# Altium PCB Dashcam_V2.0B.PcbDoc (part 7 of 8) (continued)
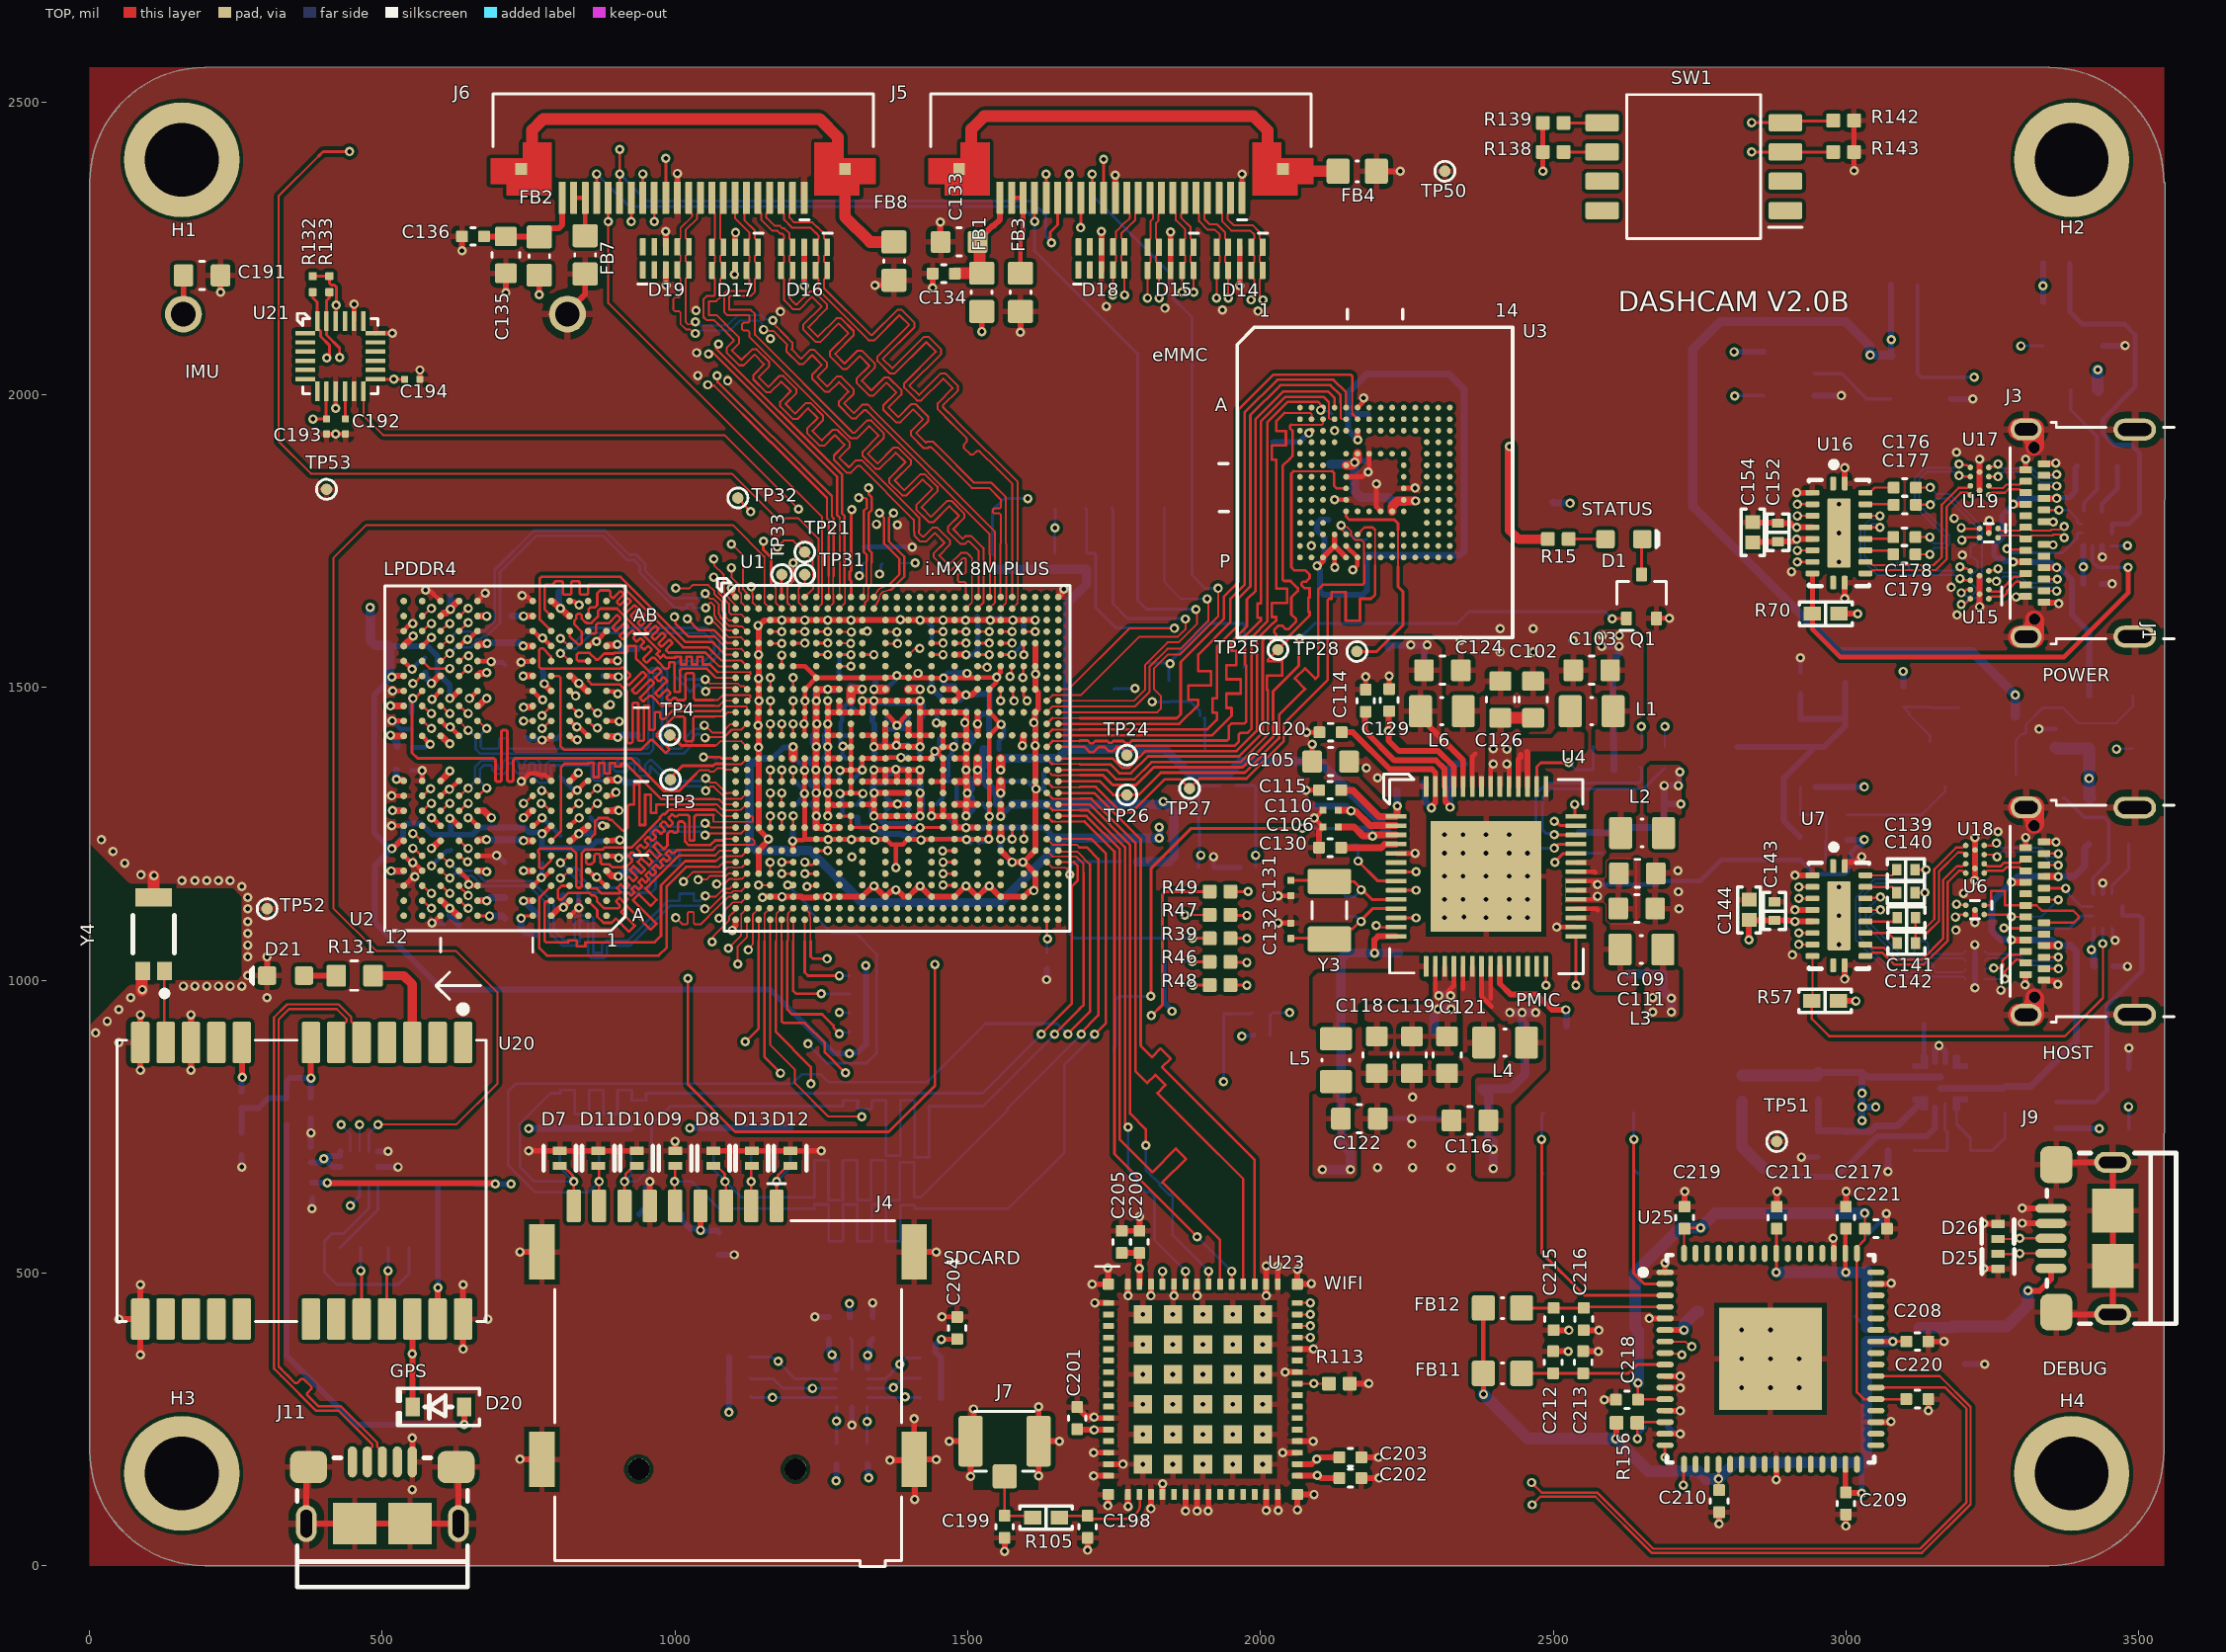
[diagram p0: TOP view]
## Nets (pads, with @x,y where several pads share a name; then routed paths per layer and width w, separated by ;. In a path a pad name is that pad's centre, name@x,y a point inside that pad or via, vN(x,y) a via of type N, cw(c..) or ccw(c..) an arc to the next point about the centre after c; other vN are vias at no path point) (continued)
USB2_D_P: U1.D14 U6.C2 | length 2217.3
  TOP w3.4: U1.D14@1359.36,1595.47 1359.65,1595.19 1378.73,1595.19 v1(1379.02,1594.9)
  TOP w4.02: v1(3187.01,1108.14) 3190.25,1108.14 3193.78,1111.68 3204.2,1111.68 U6.C2@3204.72,1112.2
  L3_IN1 w3.2: v1(1379.02,1594.9) 1377.75,1594.9 1370.65,1587.8 1363.71,1587.8 1355.6,1579.69 1355.6,1530.28 1353.5,1528.18 1353.5,1508.21 1408.44,1453.27 1431.32,1453.27 1436.55,1458.5 1502.5,1458.5 1536.82,1492.82 1549.43,1492.82 1549.48,1492.88 1551.16,1492.88 1551.24,1492.96 1562.67,1492.96 1562.95,1492.69 1594.43,1492.69 1594.8,1493.05 1607.72,1493.05 1608.43,1492.34 1619.66,1492.34 1670.49,1441.51 1677.47,1441.51 1862.51,1441.51 1915,1494 2710,1494 3002.88,1201.12 3042.5,1161.5 3085.93,1161.5 3132.18,1115.24 3178.74,1115.24 3185.84,1108.14 v1(3187.01,1108.14)
USB2_RX1_N: J1.B10 U27.A4 | length 160.9
  TOP w4.02: J1.B10@3338.58,1039.37 3338.7,1039.49 3362.88,1039.49 v1(3363,1039.61)
  BOTTOM w3.19: U27.A4@3236.22,1049.21 3237.14,1049.21 3241.42,1044.94 3294.06,1044.94 3306.24,1032.76 3352.69,1032.76 3359.54,1039.61 v1(3363,1039.61)
USB2_RX1_P: J1.B11 U27.A3 | length 160.7
  TOP w4.02: J1.B11@3338.58,1019.69 3346.89,1019.69 3347.01,1019.8 3362.94,1019.8 v1(3363.06,1019.68)
  BOTTOM w3.19: U27.A3@3236.22,1033.46 3237.14,1033.46 3241.42,1037.74 3291.08,1037.74 3303.26,1025.56 3348.69,1025.56 3352.11,1022.13 3360.61,1022.13 v1(3363.06,1019.68)
USB2_RX2_N: J1.A10 U18.A4 | length 77.3
  TOP w4.02: U18.A4@3236.22,1183.07 3237.63,1183.07 3241.49,1186.93 3268.01,1186.93 3273.92,1192.83 3296.73,1192.83 3302.56,1187.01 J1.A10@3307.09,1187.01
USB2_RX2_P: J1.A11 U18.A3 | length 77.3
  TOP w4.02: U18.A3@3236.22,1198.82 3237.63,1198.82 3241.49,1194.96 3264.69,1194.96 3270.59,1200.87 3296.73,1200.87 3302.56,1206.69 J1.A11@3307.09,1206.69
USB2_RX_1_N: U7.16 U27.C4 | length 279.3
  TOP w4.02: U7.16@3033.47,1120.08 v1(3059.06,1120.08)
  BOTTOM w3.19: v1(3059.06,1120.08) 3042.87,1111.07 3041,1109.2 3041,1097.09 3093.15,1044.94 3102,1044.94 3112.75,1044.94 3117.39,1049.58 3117.39,1062.42 3122.03,1067.06 3135.94,1067.06 3140.58,1062.42 3140.58,1049.58 3145.22,1044.94 3170,1044.94 3199.53,1044.94 3203.8,1049.21 U27.C4@3204.72,1049.21
USB2_RX_1_P: U7.17 U27.C3 | length 281.7
  TOP w4.02: U7.17@3033.47,1139.76 3034.62,1140.92 3057.9,1140.92 v1(3059.06,1142.07)
  BOTTOM w3.19: v1(3059.06,1142.07) 3035.66,1120.92 3033.8,1119.05 3033.8,1116.41 3033.8,1094.1 3090.16,1037.74 3199.53,1037.74 3203.8,1033.46 U27.C3@3204.72,1033.46
USB2_RX_2_N: U7.12 U18.C4 | length 308.8
  TOP w4: U7.12@3033.47,1041.34 3040.36,1041.34 3043.27,1044.25 3043.27,1044.81 3045.62,1047.17 3062.09,1047.17 3082.28,1026.97 3133.33,1026.97 3174.02,1067.66 3174.02,1167.73 3193.22,1186.93 3199.46,1186.93 3203.32,1183.07 U18.C4@3204.72,1183.07
USB2_RX_2_P: U7.13 U18.C3 | length 308.8
  TOP w4: U7.13@3033.47,1061.02 3040.36,1061.02 3043.27,1058.11 3043.27,1057.55 3045.62,1055.2 3065.41,1055.2 3085.61,1035 3130,1035 3165.98,1070.98 3165.98,1171.06 3189.89,1194.96 3199.46,1194.96 3203.32,1198.82 U18.C3@3204.72,1198.82
USB2_RX_N: U1.B12 U7.8 | length 2799.5
  TOP w3.2: U1.B12@1319.99,1634.84 1319.99,1636.57 1324.74,1641.32 1324.74,1645.4 1329.8,1650.47 1329.87,1650.53 1329.87,1658.59 1330,1658.72 1330,1670.11 1335,1675.11 1335,1712.5 1335.8,1713.3
  TOP w4: v1(1330.55,1841.14) 1330.99,1840.69 1330.99,1829.79 1336.14,1824.64 1336.14,1803.63 1331.02,1798.51 1331.02,1735.08 1335.8,1730.29 1335.8,1713.3
  TOP w4.02: v1(2919.38,1061.02) U7.8@2942.91,1061.02
  L3_IN1 w3.2: v1(1330.55,1841.14) 1319.63,1841.15 1307.28,1853.5 1285.48,1853.5 1237.17,1805.19 1237.17,1605.98 1237.16,1549.64 1232.5,1544.98 1232.5,1527.48 1247.33,1512.64 1267.4,1512.64 1277.46,1502.58 1277.46,1447.95 1302.25,1423.17 1302.25,1393.08 1297.09,1387.92 1297.09,1348.54 1310.15,1335.48 1428.72,1335.48 1433.24,1340 1453,1340 1457.73,1335.27 1505.6,1335.27 1505.72,1335.16 1538.29,1335.16 1538.61,1335.48 1570.52,1335.48 1617.01,1288.99 1629.99,1288.99 1702.47,1216.51 1850.51,1216.51 1923.5,1289.5 2082.44,1289.5 2098.09,1305.15 2210.15,1305.15 2240,1335 2544.5,1335 2614.5,1265 2614.5,1134.48 2704.18,1044.8 2881.8,1044.8 2902.11,1065.11 2911.83,1065.11 2915.92,1061.02 v1(2919.38,1061.02)
USB2_RX_P: U1.A12 U7.7 | length 2797.1
  TOP w3.2: U1.A12@1319.99,1654.53 1321.57,1656.1 1321.57,1659.91 1322.17,1660.51 1322.17,1661.78 1322.3,1661.91 1322.3,1673.3 1327.3,1678.3 1327.3,1715.69
  TOP w4: v1(1313.65,1824.21) 1314.09,1823.77 1324.99,1823.77 1327.64,1821.12 1327.64,1807.15 1322.52,1802.03 1322.52,1731.56 1327.3,1726.77 1327.3,1715.69
  TOP w4.02: v1(2919.38,1080.71) U7.7@2942.91,1080.71
  L3_IN1 w3.2: v1@1313.63,1824.23 1313.63,1835.13 1303.76,1845 1289,1845 1245.67,1801.67 1245.67,1621.95 1245.34,1621.62 1245.34,1602.13 1245.14,1601.93 1245.14,1545.6 1241,1541.46 1241,1531 1251.18,1520.82 1271.24,1520.82 1285.96,1506.1 1285.96,1451.48 1310.75,1426.69 1310.75,1389.56 1304.39,1383.2 1304.39,1352.79 1313.53,1343.65 1326.46,1343.65 1424.88,1343.66 1429.72,1348.5 1456.52,1348.5 1461.25,1343.77 1490.58,1343.77 1490.7,1343.66 1534.76,1343.66 1574.36,1343.66 1620.53,1297.49 1633.51,1297.49 1705.99,1225.01 1846.99,1225.01 1919.98,1298 2078.92,1298 2094.56,1313.65 2206.63,1313.65 2236.48,1343.5 2548.02,1343.5 2623,1268.52 2623,1138 2707.7,1053.3 2717,1053.3 2752.72,1053.3 2757.36,1057.94 2757.36,1084.35 2762,1088.99 2775.92,1088.99 2780.56,1084.35 2780.56,1057.94 2785.2,1053.3 2810,1053.3 2878.28,1053.3 2898.59,1073.61 2909.9,1073.61 2917,1080.71 v1(2919.38,1080.71)
USB2_TX1_N: J1.A3 U27.A2 | length 93.5
  TOP w4.02: v1(3252.51,1020.99) 3265.92,1021.02 3267.95,1023.05 3269.37,1024.47 3269.37,1027.8 3267.29,1029.88 3267.29,1032.85 3279.17,1044.74 3282.15,1044.74 3284.23,1042.66 3287.56,1042.66 3288.29,1043.39 3291.61,1043.39 3296.73,1043.39 3302.56,1049.21 J1.A3@3307.09,1049.21
  BOTTOM w3.19: U27.A2@3236.22,1017.72 3238.02,1017.72 3240.79,1020.49 3252.01,1020.49 v1(3252.51,1020.99)
USB2_TX1_P: J1.A2 U27.A1 | length 95
  TOP w4.02: v1(3271.65,1001.97) 3271.62,1015.36 3291.61,1035.35 3296.73,1035.35 3302.56,1029.53 J1.A2@3307.09,1029.53
  BOTTOM w3.19: U27.A1@3236.22,1001.97 v1(3271.65,1001.97)
USB2_TX2_N: J1.B3 U18.A2 | length 165.8
  TOP w4.02: U18.A2@3236.22,1214.57 3243.98,1214.57 3251.19,1214.57 3254.76,1211 v1(3258,1211) ; J1.B3@3338.58,1196.85 3362.63,1196.85 v1(3363,1196.48)
  BOTTOM w3.19: v1(3258,1211) 3258,1211.5 3265.6,1219.1 3331.33,1219.1 3347.53,1202.9 3354.73,1202.9 3361.16,1196.48 v1(3363,1196.48)
USB2_TX2_P: J1.B2 U18.A1 | length 165.3
  TOP w4.02: U18.A1@3236.22,1230.31 3250.08,1230.32 3253.76,1234 v1(3257,1234) ; J1.B2@3338.58,1216.54 3362.63,1216.54 v1(3363,1216.17)
  BOTTOM w3.19: v1(3257,1234) 3257.5,1234 3265.19,1226.31 3334.31,1226.31 3350.52,1210.11 3354.73,1210.11 3360.79,1216.17 v1(3363,1216.17)
USB2_TX_1_N: C140.1 U27.C2 | length 452.5
  TOP w4.02: C140.1@3118.11,1149.61 v1(3135.08,1149.61)
  BOTTOM w3.19: v1(3135.08,1149.61) 3136.06,1150.58 3136.06,1163.82 3134.19,1165.69 3051.69,1165.69 3024,1138 3024,1072 3034,1062 3036.55,1059.45 3082.56,1013.44 3103,1013.44 3123.07,1013.44 3126.55,1016.92 3126.55,1025.97 3130.03,1029.45 3146.26,1029.45 3149.74,1025.97 3149.74,1016.92 3153.22,1013.44 3178,1013.44 3199.53,1013.44 3203.8,1017.72 U27.C2@3204.72,1017.72
USB2_TX_1_P: C139.1 U27.C1 | length 454.5
  TOP w4.02: C139.1@3118.11,1188.98 v1(3137.03,1188.98)
  BOTTOM w3.19: v1(3137.03,1188.98) 3137.03,1175.74 3134.19,1172.89 3048.7,1172.89 3016.8,1140.98 3016.8,1069.02 3079.57,1006.24 3199.53,1006.24 3203.8,1001.97 U27.C1@3204.72,1001.97
USB2_TX_2_N: C142.1 U18.C2 | length 210.1
  TOP w4.02: C142.1@3119.11,1063.43 3119.11,1078.66 3121.46,1081.01 3139.01,1081.01 3158.98,1100.98 3158.98,1185.98 3191.43,1218.43 3199.46,1218.43 3203.32,1214.57 U18.C2@3204.72,1214.57
USB2_TX_2_P: C141.1 U18.C1 | length 210.2
  TOP w4.02: C141.1@3119.11,1106.74 3119.11,1091.45 3121.46,1089.1 3133.01,1089.1 3135.74,1089.1 3150.95,1104.3 3150.95,1189.3 3188.1,1226.46 3199.46,1226.46 3203.32,1230.31 U18.C1@3204.72,1230.31
USB2_TX_N: U1.B13 U7.4 | length 2481.8
  TOP w3: U1.B13@1339.68,1634.84 1348.12,1649.74 ccw(c1339.68,1654.53) 1349.37,1655.04 cw(c1352.37,1655.18) 1349.69,1656.52 ccw(c1340.29,1661.21) 1350.15,1657.6 ccw(c1346.65,1658.94) 1350.19,1657.71 cw(c1359.36,1654.53) 1356.47,1663.8 1365.53,1666.62 1366.23,1666.84 ccw(c1364,1674) 1366.76,1667.02 cw(c1367.83,1664.22) 1368.66,1667.1 1369.02,1667
  TOP w4: 1369.02,1667 1391.5,1689.48 1391.5,1723.52 1365.5,1749.52 1365.5,1789.83 1373.25,1797.58 v1(1373.25,1798.17)
  TOP w4.02: v1(2919.38,1139.76) U7.4@2942.91,1139.76
  L3_IN1 w3.2: v1(1373.25,1798.17) 1372.98,1798.17 1365.4,1805.75 1365.4,1811.92 1357.86,1819.45 1340.22,1819.45 1327.75,1806.98 1327.75,1802.77 1276.54,1751.56 1276.54,1608.7 1276.33,1608.49 1276.33,1526.32 1295.4,1507.25 1295.4,1465.29 1310.87,1449.82 1385.33,1449.82 1416.21,1418.94 1422.04,1418.94 1425.36,1415.62 1456.21,1415.62 1456.4,1415.81 1502.69,1415.81 1502.88,1416 1532.89,1385.99 1548.99,1385.99 1560.13,1374.85 1702.39,1374.85 1712.24,1365 1998.32,1365 2074.43,1441.12 2520.86,1441.12 2817.97,1144.01 2911.67,1144.01 2915.92,1139.76 v1(2919.38,1139.76)
USB2_TX_P: U1.A13 U7.3 | length 2479
  TOP w3: U1.A13@1339.68,1654.53 1342.84,1659.63 ccw(c1340.29,1661.21) 1342.98,1659.87 ccw(c1340.29,1661.21) 1343.11,1660.2 ; 1343.13,1660.24 cw(c1359.36,1654.53) 1354.24,1670.96 1363.29,1673.78 1364,1674
  TOP w4: v1(1349.04,1798.16) 1349.04,1797.78 1357,1789.83 1357,1746 1383,1720 1383,1693 1364,1674
  TOP w4.02: v1(2919.38,1159.45) U7.3@2942.91,1159.45
  L3_IN1 w3.2: v1(1349.04,1798.16) 1349.31,1798.16 1356.9,1805.75 1356.9,1808.4 1354.34,1810.95 1343.74,1810.95 1336.25,1803.46 1336.25,1799.25 1285.04,1748.04 1285.04,1621.95 1284.71,1621.62 1284.71,1608.7 1284.83,1608.57 1284.83,1581.78 1284.42,1581.36 1284.42,1568.44 1284.71,1568.15 1284.71,1529.96 1303.9,1510.77 1303.9,1468.81 1314.39,1458.32 1388.85,1458.32 1419.73,1427.44 1425.56,1427.44 1428.88,1424.12 1452.69,1424.12 1452.88,1424.31 1499.17,1424.31 1499.35,1424.5 1506.4,1424.5 1536.41,1394.49 1552.51,1394.49 1563.65,1383.35 1705.91,1383.35 1715.76,1373.5 1994.79,1373.5 2070.91,1449.62 2524.38,1449.62 2821.49,1152.51 2831,1152.51 2847.65,1152.51 2849.97,1154.83 2849.97,1183.43 2852.29,1185.75 2870.85,1185.75 2873.17,1183.43 2873.17,1154.83 2875.49,1152.51 2900.29,1152.51 2910.07,1152.51 2917,1159.45 v1(2919.38,1159.45)
USB2_VBUS_3V3: U1.D12 U8.4 | length 4592.6
  TOP w6: U1.D12@1319.88,1595.47 1320.16,1595.75 1328.16,1595.75 v2(1328.43,1596.03)
  L4_IN2 w6: v2(1328.43,1596.03) 1328.43,1656.18 1331.91,1659.65 1331.91,1717.09 1247,1802 1247,2052 1545,2350 2603.98,2350 2743.98,2490 2970,2490 3346,2114 3346,2066 3328.51,2048.51 3192.51,2048.51 3162.4,2018.4 3162.4,1535.6 3402.29,1295.71 3402.29,864.71 3481,786 v1@3483,786
  BOTTOM w6: v1(3483,784) 3483.4,783.6 U8.4@3483.4,746.82
USB_CC1_ESD: J1.A5 U9.1 | length 197.3
  TOP w5: v1(3270,1089) 3270.21,1088.79 3306.88,1088.79 J1.A5@3307.09,1088.58
  BOTTOM w5: v1(3270,1089) 3382,1089 3403.24,1110.24 U9.1@3421.26,1110.24
USB_CC2_ESD: J1.B5 U9.2 | length 98.2
  TOP w5: J1.B5@3338.79,1157.27 3375.46,1157.27 v1(3375.67,1157.06)
  BOTTOM w5: v1(3375.67,1157.06) 3377.77,1154.96 3377.77,1150.23 3402.02,1125.98 U9.2@3421.26,1125.98
USB_GPS_N: J11.2 U20.5 | length 1056.8
  TOP w4.02: U20.5@464.57,893.7 464.57,912.77 450.21,927.13 449.28,927.13 446.93,929.48 446.93,937.24 425.35,958.82 337.22,958.82 314.8,936.4 314.8,336.77 327.76,323.82 386.98,264.59 425.34,264.59 483.19,206.74 483.19,203.41 474.41,194.63 J11.2@474.41,177.17
USB_GPS_P: J11.3 U20.6 | length 1054.9
  TOP w4.02: U20.6@421.26,893.7 421.26,912.77 435.62,927.13 436.55,927.13 438.9,929.48 438.9,933.92 422.03,950.79 340.55,950.79 322.83,933.07 322.83,340.1 325.4,337.53 333.44,329.5 336.47,326.47 337.89,325.05 351.19,311.75 354.58,311.75 361.89,319.05 365.29,319.05 378.87,305.47 378.87,302.07 371.56,294.76 371.56,291.37 388.55,274.39 389.97,272.97 390.31,272.62 428.67,272.62 491.22,210.07 491.22,203.41 500,194.63 J11.3@500,177.17
USB_PWR_VBUS: J1.A4 J1.A9 J1.B4 J1.B9 R51.2 R63.1 U5.5 | length 947.7
  TOP w11.81: v2(3283,1068.9) J1.A4@3307.09,1068.9 ; v2(3283,1167.32) J1.A9@3307.09,1167.32 ; J1.B9@3338.58,1059.06 3362.19,1059.06 v2(3362.66,1059.52) ; J1.B4@3338.58,1177.17 v2(3362.67,1177.17)
  BOTTOM w11.81: U5.5@3161.42,814.96 3268.7,814.96 R51.2@3271.65,817.91 3272.74,819 3316,819 3394,897 3394,1049 3383.95,1059.06 v2@3362.66,1059.06 ; v2(3362.66,1059.52) 3361.53,1059.52 3352.16,1068.9 v2(3283,1068.9) 3282.2,1069.7 3264.08,1069.7 3249,1084.78 3249,1133.32 v2(3283,1167.32) 3284.13,1167.32 3293.97,1177.17 v2(3362.67,1177.17) 3390.17,1177.17 3407.91,1194.91 3407.91,1225.82 R63.1@3414.37,1232.28
USB_UART_3V3: C207.2 C208.2 C209.2 C210.2 C211.2 C217.2 C223.2 FB11.1 FB12.1 R150.2 R151.2 R152.2 R153.2 R156.2 U24.11 U25.20 U25.31 U25.42 U25.50 U25.56 U26.2 U26.4 | length 2019.6
  TOP w5: U25.20@2782.6,173.23 v1(2782.6,148) 2782.6,130 C210.2@2783.46,129.13 ; v1(2881.02,500.99) U25.56@2881.02,533.47 2881.02,574.72 C211.2@2881.89,575.59 ; C209.2@3000,125.2 3001.2,124 v1(3027,124) ; v1(3080,383) 3103.03,383 C208.2@3103.15,382.88
  TOP w8: FB12.1@2380.71,440.16 FB11.1@2380.71,328.55 2381,328.26 v1(2381,293) ; v1@2999.21,501.78 2999.21,533.39 U25.50@2999.13,533.47 2999.21,533.55 C217.2@2999.21,574.8
  TOP w10: v1(2607.09,217) 2607.68,217.59 2607.68,243.35 R156.2@2608.27,243.94 ; U25.31@2999.13,173.23 2999.13,125.2 3000.33,124 v1(3027,124) ; C217.2@2999.21,574.8 C217.2@3000,575.59 ; U25.42@3051.3,382.88 3051.36,382.94 3079.94,382.94 v1(3080,383)
  BOTTOM w5: U26.2@3015.89,426.04 U26.2@3035.43,406.5
  BOTTOM w10: R152.2@1091,319 R152.2@1092.28,320.28 ; v1(1092,262) 1092.28,262.28 R151.2@1092.28,289 ; R151.2@1092,289 1092.28,289.28 R153.2@1092.28,356 ; C207.2@1262.79,386.54 1262.79,365.21 v1(1268,360) ; v1@1268,358.97 1275.59,351.38 U24.11@1275.59,334.65 ; v1(1275,145) 1275.3,145.3 1275.3,172.99 R150.2@1275.59,173.28 ; v1(3027,124) 3027,167.75 U26.4@3035.43,176.18
  BOTTOM w20: v1(2381,293) 2457,217 v1(2607.09,217) 2663.09,161 2705.21,161 2705.9,161.69 2748.02,161.69 2761.72,148 v1(2782.6,148) 2810.78,176.18 U26.4@3035.43,176.18 3035.43,383 v1(3080,383) ; v1(2881.02,500.99) v1(3000,500.99) 3033.49,500.99 C223.2@3036,503.5 3035.72,503.22 3035.72,406.78 U26.2@3035.43,406.5
VDD_1V8: C1.2 C2.2 C3.2 C4.2 C8.2 C9.2 C10.2 C16.2 C24.2 C71.2 C72.2 C73.2 C74.2 C75.2 C76.2 C96.2 C97.2 C98.2 C99.2 C122.2 C123.2 C193.2 C194.2 C195.2 C200.2 C201.2 C204.2 C205.2 C206.2 L5.2 R16.1 R17.1 R18.1 R19.1 R20.1 R21.1 R33.2 R34.2 R45.1 R64.2 R69.2 R132.2 R133.2 R138.2 R139.2 R146.2 R147.2 R148.2 R149.2 R154.1 TP46.1 U1.AA11 U1.AA14 U1.AA16 U1.AA19 U1.AA24 U1.J11 U1.J16 U1.K11 U1.R22 U1.U22 U1.U24 U1.Y10 U1.Y11 U2.F1 U2.F12 U2.G4 U2.G9 U2.T4 U2.T9 U2.U1 U2.U12 U3.C6 U3.M4 U3.N4 U3.P3 U3.P5 U4.14 U14.5 U21.8 U21.13 U21.22 U22.1 U22.12 U23.13 U23.63 U24.1 | length 7783.7
  TOP w5: R132.2@381.02,2202.76 R133.2@409.45,2202.76 409.97,2202.24 409.97,2190.52 412.9,2187.59 417.81,2187.59 421.84,2183.56 421.84,2153.69 v1(421.14,2153) ; v1(381.7,1958.73) 381.86,1958.89 404.48,1958.89 C193.2@404.64,1959.06 403.89,1959.81 403.89,2005.14 U21.8@404.64,2005.89 ; U21.22@420.5,2125.91 U21.22@420.39,2126.01 420.77,2126.39 420.77,2152.77 v1@421,2153 ; U21.13@488.33,2026.58 C194.2@538.19,2026.58 ; U1.Y10@1280.62,1280.51 U1.Y11@1300.31,1280.51 U1.AA11@1300.31,1260.83 v2(1339.68,1260.83) U1.AA14@1359.36,1260.83 U1.AA16@1398.73,1260.83 v2(1418.42,1260.83) U1.AA19@1457.79,1260.83
  TOP w8: v1(1454.72,386.54) 1455,386.82 1481.72,386.82 C204.2@1482,387.1 ; v1(2482.28,2381.89) R138.2@2482.28,2414.76 R139.2@2482.28,2464.57
  TOP w10: v2(516.14,1224.68) 517.76,1224.68 531.76,1238.68 U2.F12@535.14,1238.68 ; v2@517.15,1519.68 U2.U12@536.53,1519.69 ; v2(615.27,1276.58) 616.41,1275.43 618.96,1275.43 630.61,1263.78 U2.G9@631.02,1263.78 ; v2(615.27,1481.3) 616.41,1482.44 618.96,1482.44 630.61,1494.09 U2.T9@631.02,1494.1 ; v2(772.75,1250.07) 773.89,1251.22 775.53,1251.22 788.09,1263.78 U2.G4@788.5,1263.78 ; v2(776.65,1506.48) 776.65,1506.22 788.5,1494.37 U2.T4@788.5,1494.1 ; U2.F1@882.99,1238.19 v2(905.79,1239.7) ; U2.U1@882.99,1519.69 903.14,1517.68 903.26,1517.8 v2(903.26,1518.28) ; U1.U22@1516.8,1339.52 U1.U22@1516.84,1339.57 ; U1.R22@1516.8,1379.52 1516.84,1379.47 U1.R22@1516.84,1378.94 ; C201.2@1687,233.07 1687.54,232.54 1715.46,232.54 v1(1716,232) 1716.28,232.28 U23.13@1740.16,232.28 ; C205.2@1763,534.1 C200.2@1793.31,534.1 1793.15,533.95 1793.15,508.15 v1(1793,508) 1793.31,507.69 U23.63@1793.31,480.83 ; v3(2096.7,1707.55) 2097.85,1707.55 2106.7,1716.4 2106.7,1722.55 2107.22,1722.55 U3.N4@2126.53,1741.86 ; U3.M4@2126.53,1761.55 U3.N4@2126.53,1741.86 ; U3.P5@2144.7,1723.55 2144.7,1723.69 U3.N4@2126.53,1741.86 ; U3.C6@2165.9,1938.71 2165.9,1923.1 v3(2166,1923) ; v2@2194.8,1044.52 v2(2194.8,1046.52) 2194.8,1069.17 2200.65,1075.02 U4.14@2231.8,1075.02
  TOP w11.81: v2(1556.21,1241.14) U1.AA24@1556.21,1260.83
  TOP w15.75: U1.K11@1300.31,1477.36 U1.J11@1300.31,1497.05 v2(1319.99,1497.05) ; U1.J16@1398.73,1497.05 v2(1418.42,1497.05) ; U1.U22@1516.84,1339.57 v2(1516.84,1359.25) U1.R22@1516.84,1378.94 ; v2(1556.21,1319.88) U1.U24@1556.21,1339.57
  L3_IN1 w10: v2(1849,947) 1925.52,947 v1(1968.21,904.31) 1968.21,814.11 v2(2105.8,676.52)
  L6_PWR1 w10: v2@1417.65,1496.28 v2(1418.42,1497.05)
  L6_PWR1 w15.75: v2(1516.84,1359.25) v2@1516.89,1359.21
  BOTTOM w8: v1(1968.21,904.31) 1969.31,905.42 1987.91,905.42 R45.1@1989.02,906.52
  BOTTOM w10: C195.2@377.95,688.58 393.58,688.58 v1(400,695) v1@401.62,695 ; U22.1@428.15,707.18 U22.1@427.66,707.67 427.66,701.1 426.66,700.1 406.72,700.1 v1@401.62,695 ; U22.12@428.64,681.1 415.52,681.1 v1@401.62,695 ; v2@513.14,1224.68 486.14,1251.68 486.14,1487.68 v2(516.14,1517.68) ; C71.2@513.31,1570.61 577.21,1570.61 594.14,1553.68 594.14,1525.68 615.27,1504.55 v2@615.27,1481.8 ; C74.2@615.14,1248.68 585.14,1248.68 566.14,1267.68 541,1267.68 535.14,1261.82 535.14,1243.68 487.14,1195.68 487.14,1099.47 602.36,984.25 1162.57,984.25 1271.91,874.91 v2(1297.74,874.91) ; v2(615.27,1276.58) 615.27,1274.96 617.14,1273.08 C74.2@617.14,1248.67 654.13,1248.67 666.14,1260.68 742.71,1260.68 751.25,1252.13 771.69,1252.13 v2@772.79,1251.03 ; v2@772.75,1250.98 772.75,1227.07 C75.2@773.14,1226.68 ; C75.2@773.14,1225.67 854.07,1225.67 865.35,1236.95 876.42,1236.95 C76.2@877.14,1237.67 902.14,1237.67 904.17,1239.7 v2(905.79,1239.7) ; C72.2@773.14,1526.78 774.86,1525.06 774.86,1509.9 776.65,1508.11 v2(776.65,1506.48) ; C73.2@877.14,1519.69 877.84,1518.98 902.56,1518.98 v2(903.26,1518.28) ; v1(1297.8,447.49) 1298.64,446.65 1298.64,424.55 R154.1@1299.48,423.72 ; v2@1298.44,874.21 1300.28,876.05 1311.19,876.05 1325.92,890.79 R21.1@1325.92,975.9 ; C8.2@1298.7,1503.54 1299.7,1502.54 1305.71,1502.54 1310.06,1498.19 1318.85,1498.19 v2(1319.99,1497.05) ; C2.2@1310.14,1277.68 1312.13,1277.68 1312.14,1265.68 1316.69,1261.13 1339.37,1261.13 v2(1339.68,1260.83) 1341.3,1260.83 1347.13,1254.99 1347.62,1254.99 1350.94,1251.68 1356.13,1251.68 C3.2@1361.14,1246.67 1364.69,1250.22 1386.16,1250.22 1388.7,1247.67 1398.14,1247.67 C4.2@1399.14,1246.67 ; R20.1@1325.14,1006.68 1325.92,1005.9 R21.1@1325.92,976.68 ; R20.1@1325.92,1007.68 v2(1325.92,1025) ; R146.2@1328.23,174.12 1329.78,172.57 1329.78,151.24 v1(1330.92,150.09) ; U24.1@1328.73,336.61 v1(1328.73,359.25) 1328.73,360.87 1332.59,364.73 1332.59,382.1 C206.2@1337.59,387.1 ; C4.2@1401.14,1246.68 1404.27,1246.68 v2(1418.42,1260.83) ; R147.2@1454.72,286 R148.2@1454.72,320 R149.2@1454.72,355 1444.13,365.58 1444.13,375.95 v1(1454.72,386.54) ; C24.2@1556.13,1217.68 C24.2@1556.13,1217.68 v2@1556.17,1241.64 ; R17.1@1834.92,991.55 1834.92,962.7 1849,948.62 v2(1849,947) ; R17.1@1834.92,992.55 R16.1@1834.92,1032.55 ; v3@2096.08,1706.55 2101.71,1700.92 C99.2@2101.71,1683.55 ; v3(2096.7,1707.55) 2109,1719.85 2109,1756.24 C98.2@2095.69,1769.55 2096.7,1770.56 2096.7,1780.7 2102.55,1786.56 C97.2@2115.7,1786.56 ; C99.2@2101.7,1682.55 2101.7,1664.41 2107.56,1658.55 2174.7,1658.55 2181.7,1665.55 R34.2@2181.7,1725.77 ; R33.2@2149.48,1967.55 2149.48,1939.52 v3(2166,1923) ; R33.2@2152.7,1967.55 C96.2@2183.8,1967.55 ; U14.5@3076.82,2067.4 3077.36,2067.94 v1(3077.36,2094) R69.2@3077.36,2188
  BOTTOM w11.81: R33.2@2149.48,1967.55 2149.48,2003.33 2181.7,2035.55 2321.7,2035.55 2347.7,2009.55 2347.7,1732.47 2340.78,1725.55 R34.2@2182.69,1725.55
  BOTTOM w15.75: v2(479.14,1636.68) 479.14,1580.9 488.37,1571.68 C71.2@510.14,1571.68 ; C71.2@510.14,1571.78 512.27,1569.65 512.27,1521.62 516.14,1517.74 v2(516.14,1517.68) ; C1.2@1399.04,1497.68 v2@1418.14,1497.68 ; v2(1516.84,1359.25) 1516.84,1359.19 1532.14,1343.89 C10.2@1532.14,1336.68 ; v2@1523.14,1362.68 1527.15,1366.69 C9.2@1527.15,1393.68 ; C10.2@1533.15,1339.68 1533.15,1334.67 v2@1550.14,1317.68 ; C16.2@1551.13,1301.68 1551.13,1314.67 v2@1555.14,1318.68 ; v2(2105.8,676.52) 2150.8,676.52 v2@2151.8,677.52 ; C123.2@2137.8,768.52 2137.8,1036.52 2147.8,1046.52 v2(2194.8,1046.52) TP46.1@2235.8,1046.52 ; C123.2@2138.3,763.52 2138.3,721.23 2153.8,705.73 v2(2153.8,676.52) ; v1@3040.35,2067.91 3040.35,2083.66 2999.02,2125 2785.43,2125 2738.19,2077.76 2738.19,1810.04 2987.2,1561.02 3215.55,1561.02 v1(3289.37,1487.2) 3289.42,1487.16 3289.42,1450.83 R64.2@3289.37,1450.79 ; v1(3041.61,2067.78) v1(3041.61,2067.78) 3075.97,2067.73 U14.5@3076.77,2066.93
  other v1: 519.5,2026.64
VDD_3V3: C18.2 C93.2 C94.2 C95.2 C116.2 C117.2 C127.2 C143.2 C144.2 C152.2 C154.2 C196.2 C202.2 C203.2 FB1.1 FB2.1 FB9.1 L4.2 R15.2 R57.2 R58.2 R62.1 R66.2 R70.2 TP44.1 U1.J14 U3.E6 U3.F5 U3.J10 U3.K9 U4.21 U4.22 U7.6 U8.5 U11.5 U12.5 U16.6 U22.11 U23.34 U23.35 | length 3513.4
  TOP w8: U4.21@2377.46,1023.84 2377.46,972.54 2395,955 ; 2393.21,968.79 U4.22@2393.21,1023.84
  TOP w10: v1(406,654) 407,653 691.49,653 v1@692.91,651.57 ; v1(768,2171) FB2.1@768,2204.32 ; v1(1524,2108) FB1.1@1524,2142.32 ; U23.34@2062.99,153.54 2096.54,153.54 v1(2097,154) 2098.62,154 2103.01,149.61 C202.2@2134.65,149.61 ; U23.35@2062.99,173.23 2087.23,173.23 v1(2096,182) 2097.62,182 2100.66,185.04 C203.2@2134.65,185.04 ; v1(2834.26,1068.9) 2834.45,1069.09 2834.45,1102.17 C144.2@2834.65,1102.36 ; C144.2@2834.65,1102.76 2834.84,1102.56 C143.2@2878.74,1102.56 ; C154.2@2841,1747.68 2841.79,1748.46 2883.21,1748.46 C152.2@2884,1749.25 2910.14,1749.25 2914.38,1753.49 v1(2916,1753.49) ; C143.2@2877.95,1102.36 2902.8,1102.36 2904.08,1101.08 2912.7,1101.08 v1@2913.39,1100.39 ; v1(2913,1100.39) v1@2913.39,1100.39 ; v1@2916,1753.94 U16.6@2942.91,1753.94 ; U7.6@2942.91,1100.39 v1@2913.39,1100.39 ; R57.2@2987.2,964.57 v1(3017.12,964.57) ; R70.2@2988.19,1625.98 v1(3020,1625.98)
  TOP w15.75: v2(1339.68,1497.05) U1.J14@1359.36,1497.05 ; U3.F5@2146.7,1879.55 2156.37,1879.55 2165.7,1888.89 2165.7,1899.14 U3.E6@2165.9,1899.34 ; U3.K9@2224.96,1800.92 2224.96,1809.33 2234.19,1818.55 U3.J10@2246.7,1818.55 ; U3.J10@2246.54,1818.71 v3(2264.83,1818.71) ; v2(2425.14,1911.68) 2425.14,1768.68 2440.3,1753.52 R15.2@2491.08,1753.52
  L3_IN1 w15.75: v3(2160.83,1884.71) 2160.9,1884.71 2180.97,1904.78 2418.18,1904.78 2425.08,1911.68 v2(2425.14,1911.68) 2548.49,1911.68 2710.21,2073.4 v1(2809,2073.4) 2945.45,2073.4 3058.05,2186 v1(3336.82,2186)
  BOTTOM w10: C196.2@380,653.99 v1(406,654) ; v1(406,654) 406.53,654.53 U22.11@429.62,654.53 ; FB9.1@660.68,652 v1(693,652) v1(720,652) ; v2@1340,1497 1340,1498.99 1342.13,1501.12 1342.13,1514.67 C18.2@1343.13,1515.68 ; v3@2163,1884 2163,1885.26 2164.74,1887 2180.1,1887 C93.2@2185.1,1892 ; v1(2809,2073.4) U11.5@2859.35,2073.4 ; v1(3097.76,1527.56) 3098.09,1527.22 3098.09,1501.32 R62.1@3098.43,1500.98 ; U12.5@3336.82,2158.4 v1(3336.82,2186) 3337.09,2186.27 3337.09,2224.73 R66.2@3337.36,2225 ; R58.2@3360,746.72 3408.5,746.72 U8.5@3408.6,746.82 3408.69,746.72 v1(3433,746.72)
  BOTTOM w11.81: TP44.1@2451.8,891.52 TP44.1@2451.8,893.52
  BOTTOM w15.75: C94.2@2119.7,1881.55 2157.61,1881.55 2160.77,1884.71 v3(2160.83,1884.71) 2160.83,1835.42 2171.7,1824.55 2218.7,1824.55 2224.55,1818.71 v3(2264.83,1818.71) ; C117.2@2389.8,762.52 2388.8,761.52 2388.8,733.52 2397.75,724.57 2397.75,711.57 v2(2397.8,711.52) ; C117.2@2389.8,766.98 2389.8,802.42 C127.2@2377.69,814.52 2426.8,814.52 2451.8,839.52 TP44.1@2451.8,891.52 ; v2(2397.8,678.52) 2397.84,678.57 2397.84,709.57 v2@2398.8,710.52 ; v2(2425.8,944.52) v2(2446.8,944.52) v2(2446.8,944.52) 2446.84,928.47 2452.8,922.52 TP44.1@2452.8,895.52 ; v2@2450.8,944.52 v2(2469.8,944.52)
VDD_5V: C147.2 C150.2 C151.2 Q2.D TP60.1 | length 579
  BOTTOM w10: C151.2@2814.96,1398.82 Q2.D@2947.64,1398.82 ; C147.2@2921.26,1244.88 2893.7,1272.44 2893.7,1344.88 Q2.D@2947.64,1398.82 ; C150.2@2922.24,1488.98 Q2.D@2922.24,1446.46 Q2.D@2947.54,1446.46 ; Q2.D@2947.83,1446.46 2998.54,1446.46 Q2.D@2999,1446 ; TP60.1@2999.02,1507.87 Q2.D@2999.02,1446.46 2999.02,1434.57 2963.27,1398.82 Q2.D@2947.64,1398.82
VDD_ARM: C11.2 C12.2 C13.2 C14.2 C15.2 C19.2 C20.2 C21.2 C22.2 C23.2 C103.2 C104.2 L1.2 R35.2 R36.2 TP38.1 U1.T14 U1.T16 U1.U12 U1.U13 U1.U14 U1.U15 U1.U16 U1.U17 U1.V14 U1.V16 U1.W12 U1.W13 U1.W17 U1.Y14 U1.Y15 U1.Y16 | length 1099.9
  TOP w10: U1.W12@1319.99,1300.2 U1.W13@1339.68,1300.2 ; U1.U12@1319.99,1339.57 U1.U13@1339.68,1339.57 ; v2@1379.05,1359.25 U1.U15@1379.05,1339.57 ; U1.V16@1398.73,1319.88 U1.V14@1359.36,1319.88 v2(1339.96,1319.9) 1339.82,1319.75 1339.82,1300.34 U1.W13@1339.68,1300.2 ; v2(1418.42,1319.88) U1.W17@1418.42,1300.2 v2(1418.42,1280.51) U1.Y16@1398.73,1280.51 U1.Y15@1379.05,1280.51 U1.Y14@1359.36,1280.51 v2(1339.68,1280.51) U1.W13@1339.68,1300.2 ; U1.U13@1339.68,1339.57 v2(1339.68,1359.25) U1.T14@1359.36,1359.25 ; U1.U13@1339.68,1339.57 U1.U14@1359.36,1339.57 ; U1.U14@1359.36,1339.57 U1.T14@1359.36,1359.25 ; U1.U14@1359.36,1339.57 U1.U15@1379.05,1339.57 ; U1.T14@1359.36,1359.25 U1.T16@1398.73,1359.25 ; U1.U15@1379.05,1339.57 U1.U16@1398.73,1339.57 ; U1.U16@1398.73,1339.57 U1.T16@1398.73,1359.25 ; U1.U16@1398.73,1339.57 U1.U17@1418.42,1339.57 v2(1418.42,1359.25) U1.T16@1398.73,1359.25
  BOTTOM w11.81: C20.2@1336.13,1299.68 1336.23,1299.58 1336.23,1285.09 v2@1339.64,1281.68 ; C20.2@1336.14,1300.68 1336.14,1304.41 1339.16,1307.43 1339.16,1319.1 v2(1339.96,1319.9) ; C11.2@1339.14,1334.68 1339.14,1320.42 v2@1339.68,1319.88 ; C11.2@1339.36,1340.89 1339.36,1358.93 v2(1339.68,1359.25) ; v2(1339.68,1280.51) 1340.48,1279.71 1346.1,1279.71 C22.2@1360.14,1265.68 ; C11.2@1340.14,1338.68 1341.05,1337.77 1361.04,1337.77 C14.2@1361.14,1337.67 ; C22.2@1361.14,1265.69 1399.04,1265.69 C23.2@1399.14,1265.69 ; C14.2@1361.14,1338.68 C12.2@1361.14,1354.69 v2@1373.34,1354.68 ; v2(1377.24,1360.38) 1378.03,1359.58 1395.24,1359.58 C13.2@1397.14,1357.68 ; C23.2@1399.04,1265.78 1399.24,1265.78 1399.24,1265.98 1411.69,1278.43 1415.2,1278.43 1417.29,1280.51 v2(1418.42,1280.51) ; C13.2@1399.14,1354.69 1399.14,1336.68 1419.15,1336.67 1419.22,1336.6 1419.22,1320.68 v2(1418.42,1319.88) 1418.42,1318.75 1421.05,1316.12 1421.05,1300.77 C21.2@1421.15,1300.68 1421.05,1300.58 1421.05,1291.61 1419.22,1289.77 1419.22,1282.44 1418.14,1281.37 v2@1418.14,1280.68 ; v2(1418.42,1359.25) 1419.22,1358.45 C19.2@1419.22,1343.6 ; v2(2582.8,1570.52) 2611.8,1570.52 2612.8,1569.52 2612,1568.72 2612,1557.72 2608.12,1553.84 2608.12,1538.35 C104.2@2598.04,1528.27 ; C104.2@2597.29,1527.52 C104.2@2598.04,1528.27 ; TP38.1@2601.8,1460.52 2601.8,1524.52 C104.2@2598.04,1528.27 ; TP38.1@2602.65,1458.66 2602.65,1400.38 R35.2@2603.51,1399.52 ; R36.2@2603.51,1359.52 R35.2@2603.51,1392.8
  other v2: 2612.8,1570.52 2584,1589 2613,1589
VDD_MIPI_1V2_CAP: C63.2 U1.F20 | length 101.1
  TOP w10: U1.F20@1476.7,1555.55 1477.25,1556.1 U1.F20@1477.47,1556.1 v2(1497.16,1556.1)
  BOTTOM w10: v2(1497.16,1556.1) 1497.43,1556.37 1509.41,1556.37 1517.24,1564.21 1517.24,1619.57 C63.2@1516.14,1620.68